# Altium PCB SDR_CAMERA.PcbDoc (part 1 of 3) (continued)
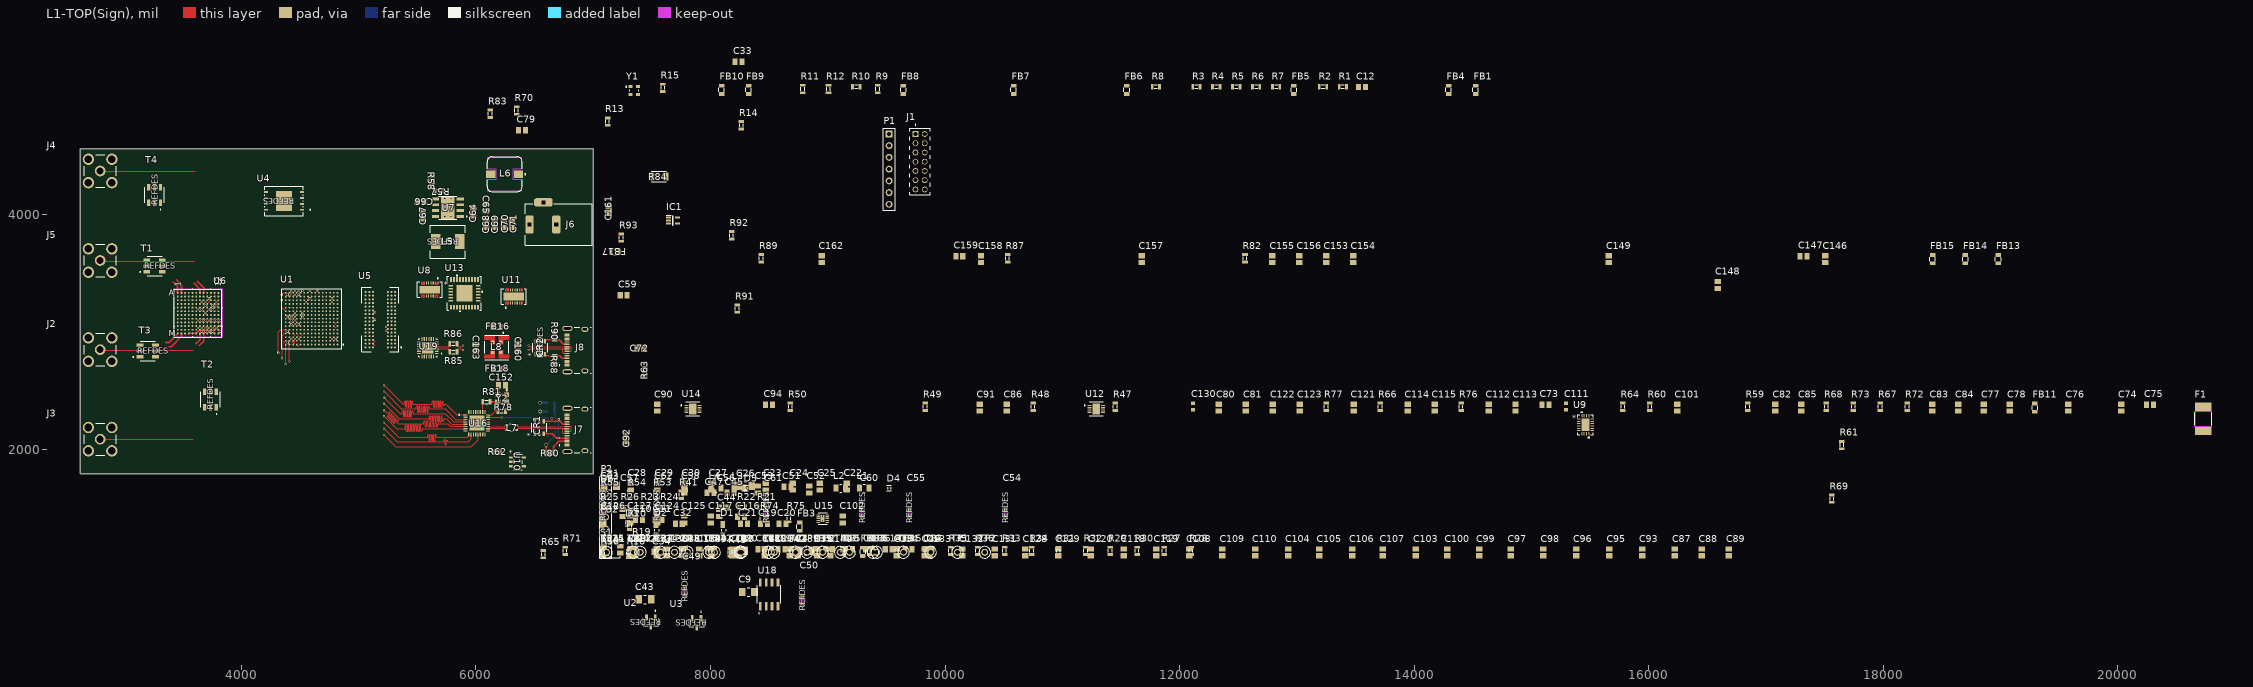
[diagram p0: L1-TOP(Sign) view]
## Components (designator, comment, footprint, x,y, rotation, side; value= is the part's Value field where it differs from the comment) (continued)
U1 "XC7Z010-1CLG225I" BGA225C80P15X15_1300X1300X150N 4598.43,3114.17 r180 top
U2 "BSS138LT3G" SOT-23-3_1P4X3P040_ONS 7492.13,527.56 r180 top
U3 "BSS138LT3G" SOT-23-3_1P4X3P040_ONS 7881.89,519.68 r180 top
U4 "MT25QU256ABA1EW9-0SIT" W-PDFN-8MLP8_8X6_MRN 4362.2,4118.11 r180 top
U5 "MT41K256M16TW-107:P" BGA96C80P9X16_1400X800X120 5185.04,3106.3 r180 top
U6 "AD9363ABCZ" BC-144-7_ADI 3629.92,3161.42 r0 top
U7 "LMR33630CDDAR" VREG_LM5017MR/NOPB 5759.84,4061.02 r180 top
U8 "LTC4415EDHCPBF" 05-08-1872_ADI 5606.3,3362.2 r270 top
U9 "TPS259401AQRVCRQ1" WQFN_3QRVCRQ1_TEX 15460.63,2208.66 r0 top
U10 "AP22802AW5-7" SOT25_DIO 6354.33,1893.7 r0 top
U11 "LTC4415EDHCPBF" 05-08-1872_ADI 6322.83,3303.15 r90 top
U12 "ADM7170ACPZ-1.3-R7" SON50P300X300X80-9N 11290,2345 r0 top
U13 "MPM54304GMN-0000" LGA7x7x2_MNP 5901.79,3330.88 r0 top
U14 "ADM7170ACPZ-1.3-R7" SON50P300X300X80-9N 7850,2345 r0 top
U15 "TPS51206DSQR" SON40P200X200X80-11N 8956.67,1409.45 r0 top
U16 "USB3320C-EZK-TR" QFN50P500X500X100-33N 6007.87,2224.41 r0 top
U17 "TUSB322I" IC_TUSB320IRWBR 6653.54,2185.04 r180 bottom
U18 "TJA1050T/CM,118" SOIC127P600X175-8N 8500,763.78 r90 top
U19 "CP2102N-A02-GQFN24R" QFN50P400X400X80-25N 5589.17,2866.39 r180 top
Y1 "ASDMB-33.000MHZ-LY-T" XTAL_ASDMB-33.000MHZ-LY-T 7350,5060 r0 top
Y2 "SIT1602BI-11-18E-24.000000G" OSC_SIT1602BI-11-18E-24.000000G 6223.2,2435.29 r270 top

## Footprints (in the part's own frame and the unit in brackets; to place one, negate y for a bottom-side part, rotate by r counter-clockwise, add the part's x,y. Pads: shape width x height; smd on the part's side, far side on the other; paste and mask are expansions set on the pad)
0ZCG_BEL [mil]
  rect 70x138 smd paste+0 mask+0: 1(-103,0) 2(103,0)
  L1-TOP(Sign) keep-out region: -66,-67 -66,67 66,67 66,-67
  silkscreen extent -55,-72 55,72, body extent -93,-67 93,67, height 61
05-08-1872_ADI [mm]
  rect 0.127x0.127 smd paste-0.064 mask-0.064: 1(-1.425,1.75) 2(-1.425,1.25) 7(-1.425,-1.25) 8(-1.425,-1.75) 9(1.425,-1.75) 10(1.425,-1.25) 15(1.425,1.25) 16(1.425,1.75)
  rect 0.65x0.25 smd paste+0 mask+0: 3(-1.425,0.75) 4(-1.425,0.25) 5(-1.425,-0.25) 6(-1.425,-0.75) 11(1.425,-0.75) 12(1.425,-0.25) 13(1.425,0.25) 14(1.425,0.75)
  rect 1.65x4.4 smd paste-0.825 mask+0: 17(0,0)
  L1-TOP(Sign) region: 0,2.2 0,2.2 0,2.2 0,2.2 0,2.2 0,2.2 0,2.2 0,2.2
  L1-TOP(Sign) region: 0,-2.2 0,-2.2 0,-2.2 0,-2.2 0,-2.2 0,-2.2 0,-2.2 0,-2.2
  L1-TOP(Sign) region: 1.29,1.625 1.75,1.625 1.75,1.875 1.1,1.875 1.1,1.125 1.75,1.125 1.75,1.375 1.29,1.375
  L1-TOP(Sign) region: -1.29,1.375 -1.75,1.375 -1.75,1.125 -1.1,1.125 -1.1,1.875 -1.75,1.875 -1.75,1.625 -1.29,1.625
  L1-TOP(Sign) region: -1.29,-1.625 -1.75,-1.625 -1.75,-1.875 -1.1,-1.875 -1.1,-1.125 -1.75,-1.125 -1.75,-1.375 -1.29,-1.375
  L1-TOP(Sign) region: 1.29,-1.375 1.75,-1.375 1.75,-1.125 1.1,-1.125 1.1,-1.875 1.75,-1.875 1.75,-1.625 1.29,-1.625
  silkscreen extent -2.55,-2.68 1.68,2.68
0603 [mm]
  rect 0.6x1.2 smd: 1(0.3,0.6) 2(1.9,0.6)
  silkscreen extent 0.76,0.2 1.44,1
0805R [mm] "footprint 0805"
  rect 0.8x1.2 smd: 1(0,0) 2(1.8,0)
  silkscreen extent 0.5,-0.6 1.33,0.6, body extent -0.1,-0.6 1.9,0.6, height 1.2
1608[0603] [mm] "Chip Capacitor, Body 1.6x0.8mm, IPC High Density"
  rect 0.8x0.9 smd: 1(-0.7,0) 2(0.7,0)
  body extent -0.87,-0.48 0.87,0.48, height 1.3
694108301002 [mm] "DC Power Jack Right Angled(6.4)"
  rrect50% 4x1.8 hole 0.8 square: 1(0,6.35) 2(0,0.55)
  rrect50% 1.8x4 hole 0.8 square: 3(4.8,3.35)
  silkscreen extent -4.5,-7.25 4.5,7.25, body extent -4.5,-7.25 5,7.25, height 10.75
BC-144-7_ADI [mil]
  round 16 smd paste+0 mask+1.97: A1(-173.23,173.23) A2(-141.73,173.23) A3(-110.24,173.23) A4(-78.74,173.23) A5(-47.24,173.23) A6(-15.75,173.23) A7(15.75,173.23) A8(47.24,173.23) A9(78.74,173.23) A10(110.24,173.23) A11(141.73,173.23) A12(173.23,173.23) B1(-173.23,141.73) B2(-141.73,141.73) B3(-110.24,141.73) B4(-78.74,141.73) B5(-47.24,141.73) B6(-15.75,141.73) B7(15.75,141.73) B8(47.24,141.73) B9(78.74,141.73) B10(110.24,141.73) B11(141.73,141.73) B12(173.23,141.73) C1(-173.23,110.24) C2(-141.73,110.24) C3(-110.24,110.24) C4(-78.74,110.24) C5(-47.24,110.24) C6(-15.75,110.24) C7(15.75,110.24) C8(47.24,110.24) C9(78.74,110.24) C10(110.24,110.24) C11(141.73,110.24) C12(173.23,110.24) D1(-173.23,78.74) D2(-141.73,78.74) D3(-110.24,78.74) D4(-78.74,78.74) D5(-47.24,78.74) D6(-15.75,78.74) D7(15.75,78.74) D8(47.24,78.74) D9(78.74,78.74) D10(110.24,78.74) D11(141.73,78.74) D12(173.23,78.74) E1(-173.23,47.24) E2(-141.73,47.24) E3(-110.24,47.24) E4(-78.74,47.24) E5(-47.24,47.24) E6(-15.75,47.24) E7(15.75,47.24) E8(47.24,47.24) E9(78.74,47.24) E10(110.24,47.24) E11(141.73,47.24) E12(173.23,47.24) F1(-173.23,15.75) F2(-141.73,15.75) F3(-110.24,15.75) F4(-78.74,15.75) F5(-47.24,15.75) F6(-15.75,15.75) F7(15.75,15.75) F8(47.24,15.75) F9(78.74,15.75) F10(110.24,15.75) F11(141.73,15.75) F12(173.23,15.75) G1(-173.23,-15.75) G2(-141.73,-15.75) G3(-110.24,-15.75) G4(-78.74,-15.75) G5(-47.24,-15.75) G6(-15.75,-15.75) G7(15.75,-15.75) G8(47.24,-15.75) G9(78.74,-15.75) G10(110.24,-15.75) G11(141.73,-15.75) G12(173.23,-15.75) H1(-173.23,-47.24) H2(-141.73,-47.24) H3(-110.24,-47.24) H4(-78.74,-47.24) H5(-47.24,-47.24) H6(-15.75,-47.24) H7(15.75,-47.24) H8(47.24,-47.24) H9(78.74,-47.24) H10(110.24,-47.24) H11(141.73,-47.24) H12(173.23,-47.24) J1(-173.23,-78.74) J2(-141.73,-78.74) J3(-110.24,-78.74) J4(-78.74,-78.74) J5(-47.24,-78.74) J6(-15.75,-78.74) J7(15.75,-78.74) J8(47.24,-78.74) J10(110.24,-78.74) J11(141.73,-78.74) J12(173.23,-78.74) K1(-173.23,-110.24) K2(-141.73,-110.24) K3(-110.24,-110.24) K4(-78.74,-110.24) K5(-47.24,-110.24) K6(-15.75,-110.24) K7(15.75,-110.24) K8(47.24,-110.24) K9(78.74,-110.24) K10(110.24,-110.24) K11(141.73,-110.24) K12(173.23,-110.24) L1(-173.23,-141.73) L2(-141.73,-141.73) L3(-110.24,-141.73) L4(-78.74,-141.73) L5(-47.24,-141.73) L6(-15.75,-141.73) L7(15.75,-141.73) L8(47.24,-141.73) L9(78.74,-141.73) L10(110.24,-141.73) L11(141.73,-141.73) L12(173.23,-141.73) M1(-173.23,-173.23) M2(-141.73,-173.23) M3(-110.24,-173.23) M4(-78.74,-173.23) M5(-47.24,-173.23) M6(-15.75,-173.23) M7(15.75,-173.23) M8(47.24,-173.23) M9(78.74,-173.23) M10(110.24,-173.23) M11(141.73,-173.23) M12(173.23,-173.23)
  round 16 smd paste+0 mask+0: J9(78.74,-78.74)
  Keep-Out Layer region: -206.48,-206.48 -206.48,206.48 206.48,206.48 206.48,-206.48
  silkscreen extent -209,-209 209,209, body extent -199,-199 199,199, height 67
BGA96C80P9X16_1400X800X120 [mm]
  round 0.43 smd: A1(-3.2,6) A2(-2.4,6) A3(-1.6,6) A7(1.6,6) A8(2.4,6) A9(3.2,6) B1(-3.2,5.2) B2(-2.4,5.2) B3(-1.6,5.2) B7(1.6,5.2) B8(2.4,5.2) B9(3.2,5.2) C1(-3.2,4.4) C2(-2.4,4.4) C3(-1.6,4.4) C7(1.6,4.4) C8(2.4,4.4) C9(3.2,4.4) D1(-3.2,3.6) D2(-2.4,3.6) D3(-1.6,3.6) D7(1.6,3.6) D8(2.4,3.6) D9(3.2,3.6) E1(-3.2,2.8) E2(-2.4,2.8) E3(-1.6,2.8) E7(1.6,2.8) E8(2.4,2.8) E9(3.2,2.8) F1(-3.2,2) F2(-2.4,2) F3(-1.6,2) F7(1.6,2) F8(2.4,2) F9(3.2,2) G1(-3.2,1.2) G2(-2.4,1.2) G3(-1.6,1.2) G7(1.6,1.2) G8(2.4,1.2) G9(3.2,1.2) H1(-3.2,0.4) H2(-2.4,0.4) H3(-1.6,0.4) H7(1.6,0.4) H8(2.4,0.4) H9(3.2,0.4) J1(-3.2,-0.4) J2(-2.4,-0.4) J3(-1.6,-0.4) J7(1.6,-0.4) J8(2.4,-0.4) J9(3.2,-0.4) K1(-3.2,-1.2) K2(-2.4,-1.2) K3(-1.6,-1.2) K7(1.6,-1.2) K8(2.4,-1.2) K9(3.2,-1.2) L1(-3.2,-2) L2(-2.4,-2) L3(-1.6,-2) L7(1.6,-2) L8(2.4,-2) L9(3.2,-2) M1(-3.2,-2.8) M2(-2.4,-2.8) M3(-1.6,-2.8) M7(1.6,-2.8) M8(2.4,-2.8) M9(3.2,-2.8) N1(-3.2,-3.6) N2(-2.4,-3.6) N3(-1.6,-3.6) N7(1.6,-3.6) N8(2.4,-3.6) N9(3.2,-3.6) P1(-3.2,-4.4) P2(-2.4,-4.4) P3(-1.6,-4.4) P7(1.6,-4.4) P8(2.4,-4.4) P9(3.2,-4.4) R1(-3.2,-5.2) R2(-2.4,-5.2) R3(-1.6,-5.2) R7(1.6,-5.2) R8(2.4,-5.2) R9(3.2,-5.2) T1(-3.2,-6) T2(-2.4,-6) T3(-1.6,-6) T7(1.6,-6) T8(2.4,-6) T9(3.2,-6)
  silkscreen extent -4.6,-7 4,7
BGA225C80P15X15_1300X1300X150N [mm]
  round 0.37 smd: A1(-5.6,5.6) A2(-4.8,5.6) A3(-4,5.6) A4(-3.2,5.6) A5(-2.4,5.6) A6(-1.6,5.6) A7(-0.8,5.6) A8(0,5.6) A9(0.8,5.6) A10(1.6,5.6) A11(2.4,5.6) A12(3.2,5.6) A13(4,5.6) A14(4.8,5.6) A15(5.6,5.6) B1(-5.6,4.8) B2(-4.8,4.8) B3(-4,4.8) B4(-3.2,4.8) B5(-2.4,4.8) B6(-1.6,4.8) B7(-0.8,4.8) B8(0,4.8) B9(0.8,4.8) B10(1.6,4.8) B11(2.4,4.8) B12(3.2,4.8) B13(4,4.8) B14(4.8,4.8) B15(5.6,4.8) C1(-5.6,4) C2(-4.8,4) C3(-4,4) C4(-3.2,4) C5(-2.4,4) C6(-1.6,4) C7(-0.8,4) C8(0,4) C9(0.8,4) C10(1.6,4) C11(2.4,4) C12(3.2,4) C13(4,4) C14(4.8,4) C15(5.6,4) D1(-5.6,3.2) D2(-4.8,3.2) D3(-4,3.2) D4(-3.2,3.2) D5(-2.4,3.2) D6(-1.6,3.2) D7(-0.8,3.2) D8(0,3.2) D9(0.8,3.2) D10(1.6,3.2) D11(2.4,3.2) D12(3.2,3.2) D13(4,3.2) D14(4.8,3.2) D15(5.6,3.2) E1(-5.6,2.4) E2(-4.8,2.4) E3(-4,2.4) E4(-3.2,2.4) E5(-2.4,2.4) E6(-1.6,2.4) E7(-0.8,2.4) E8(0,2.4) E9(0.8,2.4) E10(1.6,2.4) E11(2.4,2.4) E12(3.2,2.4) E13(4,2.4) E14(4.8,2.4) E15(5.6,2.4) F1(-5.6,1.6) F2(-4.8,1.6) F3(-4,1.6) F4(-3.2,1.6) F5(-2.4,1.6) F6(-1.6,1.6) F7(-0.8,1.6) F8(0,1.6) F9(0.8,1.6) F10(1.6,1.6) F11(2.4,1.6) F12(3.2,1.6) F13(4,1.6) F14(4.8,1.6) F15(5.6,1.6) G1(-5.6,0.8) G2(-4.8,0.8) G3(-4,0.8) G4(-3.2,0.8) G5(-2.4,0.8) G6(-1.6,0.8) G7(-0.8,0.8) G8(0,0.8) G9(0.8,0.8) G10(1.6,0.8) G11(2.4,0.8) G12(3.2,0.8) G13(4,0.8) G14(4.8,0.8) G15(5.6,0.8) H1(-5.6,0) H2(-4.8,0) H3(-4,0) H4(-3.2,0) H5(-2.4,0) H6(-1.6,0) H7(-0.8,0) H8(0,0) H9(0.8,0) H10(1.6,0) H11(2.4,0) H12(3.2,0) H13(4,0) H14(4.8,0) H15(5.6,0) J1(-5.6,-0.8) J2(-4.8,-0.8) J3(-4,-0.8) J4(-3.2,-0.8) J5(-2.4,-0.8) J6(-1.6,-0.8) J7(-0.8,-0.8) J8(0,-0.8) J9(0.8,-0.8) J10(1.6,-0.8) J11(2.4,-0.8) J12(3.2,-0.8) J13(4,-0.8) J14(4.8,-0.8) J15(5.6,-0.8) K1(-5.6,-1.6) K2(-4.8,-1.6) K3(-4,-1.6) K4(-3.2,-1.6) K5(-2.4,-1.6) K6(-1.6,-1.6) K7(-0.8,-1.6) K8(0,-1.6) K9(0.8,-1.6) K10(1.6,-1.6) K11(2.4,-1.6) K12(3.2,-1.6) K13(4,-1.6) K14(4.8,-1.6) K15(5.6,-1.6) L1(-5.6,-2.4) L2(-4.8,-2.4) L3(-4,-2.4) L4(-3.2,-2.4) L5(-2.4,-2.4) L6(-1.6,-2.4) L7(-0.8,-2.4) L8(0,-2.4) L9(0.8,-2.4) L10(1.6,-2.4) L11(2.4,-2.4) L12(3.2,-2.4) L13(4,-2.4) L14(4.8,-2.4) L15(5.6,-2.4) M1(-5.6,-3.2) M2(-4.8,-3.2) M3(-4,-3.2) M4(-3.2,-3.2) M5(-2.4,-3.2) M6(-1.6,-3.2) M7(-0.8,-3.2) M8(0,-3.2) M9(0.8,-3.2) M10(1.6,-3.2) M11(2.4,-3.2) M12(3.2,-3.2) M13(4,-3.2) M14(4.8,-3.2) M15(5.6,-3.2) N1(-5.6,-4) N2(-4.8,-4) N3(-4,-4) N4(-3.2,-4) N5(-2.4,-4) N6(-1.6,-4) N7(-0.8,-4) N8(0,-4) N9(0.8,-4) N10(1.6,-4) N11(2.4,-4) N12(3.2,-4) N13(4,-4) N14(4.8,-4) P1(-5.6,-4.8) P2(-4.8,-4.8) P3(-4,-4.8) P4(-3.2,-4.8) P5(-2.4,-4.8) P6(-1.6,-4.8) P7(-0.8,-4.8) P8(0,-4.8) P9(0.8,-4.8) P10(1.6,-4.8) P11(2.4,-4.8) P12(3.2,-4.8) P13(4,-4.8) P14(4.8,-4.8) P15(5.6,-4.8) R1(-5.6,-5.6) R2(-4.8,-5.6) R3(-4,-5.6) R4(-3.2,-5.6) R5(-2.4,-5.6) R6(-1.6,-5.6) R7(-0.8,-5.6) R8(0,-5.6) R9(0.8,-5.6) R10(1.6,-5.6) R11(2.4,-5.6) R12(3.2,-5.6) R13(4,-5.6) R14(4.8,-5.6) R15(5.6,-5.6)
  round 0.37 smd mask+0.05: N15(5.6,-4)
  silkscreen extent -6.92,-6.5 6.5,6.5
C0805 [mm] "Chip Capacitor, Body 2.0x1.3mm, IPC High Density"
  rect 1.1x1.4 smd: 1(-0.75,0) 2(0.75,0)
  body extent -1.1,-0.72 1.1,0.72, height 1.4
CAPC3216X190N [mm]
  rect 1.44x1.82 smd: 1(-1.336,0) 2(1.336,0)
  silkscreen extent -0.29,-0.9 0.29,0.9, body extent -1.6,-0.8 1.6,0.8, height 1.9
CAPC17595_87N_KEM [mm]
  rect 1.006x0.95 smd paste+0 mask+0: 1(-0.728,0) 2(0.728,0)
  L1-TOP(Sign) keep-out region: -0.174,-0.424 -0.174,0.424 0.174,0.424 0.174,-0.424
  Keep-Out Layer region: -0.174,-0.475 -0.174,0.475 0.174,0.475 0.174,-0.475
  body extent -0.87,-0.48 0.87,0.48, height 0.87
DB1627_MNC [mil]
  rect 57x29 smd paste+0 mask+0: 1(-66,-50) 2(-66,0) 3(-66,50) 4(66,50) 5(66,0) 6(66,-50)
  silkscreen extent -126,-82 65,82
DIODFN100X60X43-2N [mm]
  rect 0.28x0.52 smd: 1(-0.325,0) 2(0.325,0)
  silkscreen extent -0.5,-0.58 0.5,0.58, body extent -0.5,-0.3 0.5,0.3, height 0.25
FIL_DLW5BSM801TQ2L [mm]
  rect 0.75x0.75 smd: 1(0.875,1.075) 2(-0.875,1.075) 3(-0.875,-1.075) 4(0.875,-1.075)
  L1-TOP(Sign) region: -0.45,-2.35 -2.75,-2.35 -2.75,-1.65 -1.45,-1.65 -1.45,-0.65 -0.45,-0.65
  L1-TOP(Sign) region: 2.75,1.65 1.45,1.65 1.45,0.65 0.45,0.65 0.45,2.35 2.75,2.35
  L1-TOP(Sign) region: 1.45,-1.65 2.75,-1.65 2.75,-2.35 0.45,-2.35 0.45,-0.65 1.45,-0.65
  L1-TOP(Sign) region: -0.45,0.65 -1.45,0.65 -1.45,1.65 -2.75,1.65 -2.75,2.35 -0.45,2.35
  silkscreen extent -2.65,-2.66 2.65,3.22
GRADCONN_RFPC-SMA27-F [mm]
  round 2.325 hole 1.55: 1(0,0)
  round 2.475 hole 1.65: G1(-2.54,2.54) G2(2.54,2.54) G3(-2.54,-2.54) G4(2.54,-2.54)
  silkscreen extent -3.5,-3.5 3.5,3.5
HDR1X7 [mm] "Connector; Header; 7 Position"
  rect 1.5x1.5 hole 0.9: 1(0,0)
  round 1.5 hole 0.9: 2(2.54,0) 3(5.08,0) 4(7.62,0) 5(10.16,0) 6(12.7,0) 7(15.24,0)
  silkscreen extent -1.27,-1.27 16.51,1.27
IC_TUSB320IRWBR [mm]
  rrect50% 0.7x0.2 smd paste-1 mask+0: 1(-0.65,0.2) 2(-0.65,-0.2) 7(0.65,-0.2) 8(0.65,0.2)
  rrect50% 0.2x0.5 smd mask+0: 3(-0.6,-0.75) 4(-0.2,-0.75) 5(0.2,-0.75) 6(0.6,-0.75) 9(0.6,0.75) 10(0.2,0.75) 11(-0.2,0.75) 12(-0.6,0.75)
  silkscreen extent -1.6,0.1 -1.4,0.3, body extent -0.8,-0.8 0.8,0.8, height 0.4
IND_B82498F3331J001 [mm]
  rect 1.1x1.5 smd: 1(-1.05,0) 2(1.05,0)
  silkscreen extent -0.18,-0.85 0.18,0.85
IND_DLW21H_0805_MUR [mm]
  rect 0.755x0.349 smd paste+0 mask+0: 1(-1.027,-0.5) 2(1.027,-0.5) 3(1.027,0.5) 4(-1.027,0.5)
  silkscreen extent -0.35,-0.83 0.35,0.83, body extent -1.1,-0.7 1.1,0.7, height 1
IND_SRP7020TA-8R2M_BRN [mil]
  rect 83x130 smd paste+0 mask+0: 1(-102.5,0) 2(102.5,0)
  silkscreen extent -149,-141 149,141, body extent -144,-136 144,136, height 79
KEYSTONE_5000 [mm]
  round 1.53 hole 1.02: TP(0,0)
  silkscreen extent -1.27,-1.27 1.27,1.27, body extent -1.27,-1.27 1.27,1.27, height 4.57
LED_LTST-S220TBKT [mm]
  rect 1.5x1 smd: A(1.25,0) C(-1.25,0)
  silkscreen extent -2.6,-0.75 0.19,0.25
LGA7x7x2_MNP [mil]
  rect 39x14 smd paste+0 mask+0: 1(-117.5,63.98) 2(-117.5,38.39) 3(-117.5,12.8) 4(-117.5,-12.8) 5(-117.5,-38.39) 6(-117.5,-63.98) 17(117.5,-63.98) 18(117.5,-38.39) 19(117.5,-12.8) 20(117.5,12.8) 21(117.5,38.39) 22(117.5,63.98)
  rect 14x39 smd paste+0 mask+0: 7(-115.16,-117.5) 8(-89.57,-117.5) 9(-63.98,-117.5) 10(-38.39,-117.5) 11(-12.8,-117.5) 12(12.8,-117.5) 13(38.39,-117.5) 14(63.98,-117.5) 15(89.57,-117.5) 16(115.16,-117.5) 23(115.16,117.5) 24(89.57,117.5) 25(63.98,117.5) 26(38.39,117.5) 27(12.8,117.5) 28(-12.8,117.5) 29(-38.39,117.5) 30(-63.98,117.5) 31(-89.57,117.5) 32(-115.16,117.5)
  rect 138x138 smd paste-69 mask+0: 33(0,0)
  silkscreen extent -145,-157 157,157, body extent -140,-140 140,140, height 83
OSC_SIT1602BI-11-18E-24.000000G [mm]
  rect 1x1.1 smd: 1(-0.75,0.95) 2(-0.75,-0.95) 3(0.75,-0.95) 4(0.75,0.95)
  silkscreen extent -1.97,-0.08 1,1.1
QFN50P400X400X80-25N [mm]
  rrect25% 0.84x0.26 smd: 1(-1.935,1.25) 2(-1.935,0.75) 3(-1.935,0.25) 4(-1.935,-0.25) 5(-1.935,-0.75) 6(-1.935,-1.25) 13(1.935,-1.25) 14(1.935,-0.75) 15(1.935,-0.25) 16(1.935,0.25) 17(1.935,0.75) 18(1.935,1.25)
  rrect25% 0.26x0.84 smd: 7(-1.25,-1.935) 8(-0.75,-1.935) 9(-0.25,-1.935) 10(0.25,-1.935) 11(0.75,-1.935) 12(1.25,-1.935) 19(1.25,1.935) 20(0.75,1.935) 21(0.25,1.935) 22(-0.25,1.935) 23(-0.75,1.935) 24(-1.25,1.935)
  rect 2.45x2.45 smd paste-0.455: 25(0,0)
  silkscreen extent -3.08,-2 2,2
QFN50P500X500X100-33N [mm]
  rrect7% 0.86x0.26 smd: 1(-2.435,1.75) 2(-2.435,1.25) 3(-2.435,0.75) 4(-2.435,0.25) 5(-2.435,-0.25) 6(-2.435,-0.75) 7(-2.435,-1.25) 8(-2.435,-1.75) 17(2.435,-1.75) 18(2.435,-1.25) 19(2.435,-0.75) 20(2.435,-0.25) 21(2.435,0.25) 22(2.435,0.75) 23(2.435,1.25) 24(2.435,1.75)
  rrect7% 0.26x0.86 smd: 9(-1.75,-2.435) 10(-1.25,-2.435) 11(-0.75,-2.435) 12(-0.25,-2.435) 13(0.25,-2.435) 14(0.75,-2.435) 15(1.25,-2.435) 16(1.75,-2.435) 25(1.75,2.435) 26(1.25,2.435) 27(0.75,2.435) 28(0.25,2.435) 29(-0.25,2.435) 30(-0.75,2.435) 31(-1.25,2.435) 32(-1.75,2.435)
  rect 3.3x3.3 smd paste-0.606: 33(0,0)
  silkscreen extent -3.96,1.65 -3.77,1.85, body extent -2.5,-2.5 2.5,2.5, height 1
RESC3216X125N [mm]
  rrect25% 1.2x1.82 smd: 1(-1.505,0) 2(1.505,0)
  silkscreen extent -1.63,-1.09 1.63,1.09
SAMESKY_UJ20-C-H-G-SMT-P16-TR-67 [mm]
  rect 0.65x1.14 smd: A1_B12(-3.28,3.23) A4_B9(-2.43,3.23) A12_B1(3.28,3.23) B4_A9(2.43,3.23)
  rect 0.3x1.14 smd: A5(-1.75,3.23) A6(-0.75,3.23) A7(0.75,3.23) A8(1.75,3.23) B5(1.25,3.23) B6(0.25,3.23) B7(-0.25,3.23) B8(-1.25,3.23)
  oval 1.1x2.2 hole 0.5 slot 1.6 at 90 deg: SH1(-4.695,3.15) SH3(4.695,3.15)
  oval 1.1x1.5 hole 0.5 slot 0.9 at 90 deg: SH2(-4.495,-0.65) SH4(4.495,-0.65)
  silkscreen extent -4.96,-2 4.96,4.95, body extent -5.09,-3.79 4.84,3.81, height 3.4
SAMTEC_MTMM-107-03-G-D-190 [mm]
  rect 1.24x1.24 hole 0.89: 01(-6,-1)
  round 1.24 hole 0.89: 02(-6,1) 03(-4,-1) 04(-4,1) 05(-2,-1) 06(-2,1) 07(0,-1) 08(0,1) 09(2,-1) 10(2,1) 11(4,-1) 12(4,1) 13(6,-1) 14(6,1)
  silkscreen extent -8.1,-2.2 7.2,2.2
SOIC6_SOT23-6_CRA_LTF [mil]
  rect 38.5x22 smd paste+0 mask+0: 1(-53.75,37) 2(-53.75,0) 3(-53.75,-37) 4(53.75,-37) 5(53.75,0) 6(53.75,37)
  silkscreen extent -40,-65 40,65, body extent -59,-60 59,60, height 57
SOIC127P600X175-8N [mm]
  rrect25% 1.75x0.59 smd: 1(-2.585,1.905) 2(-2.585,0.635) 3(-2.585,-0.635) 4(-2.585,-1.905) 5(2.585,-1.905) 6(2.585,-0.635) 7(2.585,0.635) 8(2.585,1.905)
  silkscreen extent -4.2,-2.52 1.95,2.52, body extent -3,-2.45 3,2.45, height 1.75
SON40P200X200X80-11N [mm]
  rrect25% 0.76x0.22 smd: 1(-0.985,0.8) 2(-0.985,0.4) 3(-0.985,0) 4(-0.985,-0.4) 5(-0.985,-0.8) 6(0.985,-0.8) 7(0.985,-0.4) 8(0.985,0) 9(0.985,0.4) 10(0.985,0.8)
  rect 0.9x1.5 smd paste-2: 11(0,0)
  round 0.3 hole 0.2 mask+0: 12(0,0.5) 13(0,-0.5)
  silkscreen extent -2.02,-1.23 1,1.23
SON50P300X300X80-9N [mm]
  rrect25% 0.86x0.27 smd: 1(-1.435,0.75) 2(-1.435,0.25) 3(-1.435,-0.25) 4(-1.435,-0.75) 5(1.435,-0.75) 6(1.435,-0.25) 7(1.435,0.25) 8(1.435,0.75)
  rect 1.6x2.44 smd paste-2: 9(0,0)
  silkscreen extent -2.59,-1.54 1.5,1.54, body extent -1.5,-1.5 1.5,1.5, height 0.75
SOT25_DIO [mm]
  rect 1.006x0.5 smd paste+0 mask+0: 1(-1.353,0.95) 2(-1.353,0) 3(-1.353,-0.95) 4(1.353,-0.95) 5(1.353,0.95)
  silkscreen extent -0.98,-1.68 0.98,1.68, body extent -1.5,-1.55 1.5,1.55, height 1.45
SOT65P212X110-5N [mm]
  rect 1.05x0.4 smd: 1(-0.95,0.65) 2(-0.95,0) 3(-0.95,-0.65) 4(0.95,-0.65) 5(0.95,0.65)
  silkscreen extent -1.48,-1.02 0.08,1.1
SOT-23-3_1P4X3P040_ONS [mil]
  rect 22x52 smd paste+0 mask+0: 1(-37.5,-40) 2(37.5,-40) 3(0,40)
  silkscreen extent -65,-99 65,32, body extent -60,-52 60,52, height 44
SW_PTS840GMSMTRLFS [mm]
  rect 1.4x1.05 smd: 1(-1.8,0.725) 2(1.8,0.725) 3(-1.8,-0.725) 4(1.8,-0.725)
  rect 1.1x0.5 smd: 5(0,1.7)
  silkscreen extent -2.4,-1.75 1.75,1.8
VREG_LM5017MR/NOPB [mm]
  rrect5% 1.55x0.6 smd mask+0: 1(-2.7,1.905) 2(-2.7,0.635) 3(-2.7,-0.635) 4(-2.7,-1.905) 5(2.7,-1.905) 6(2.7,-0.635) 7(2.7,0.635) 8(2.7,1.905)
  rect 2.95x4.9 smd paste-3 mask+0: 9(0,0)
  round 0.3 hole 0.2: 10(-0.65,1.95) 11(0.65,1.95) 12(-0.65,0.65) 13(0.65,0.65) 14(-0.65,-0.65) 15(0.65,-0.65) 16(-0.65,-1.95) 17(0.65,-1.95)
  silkscreen extent -4.17,-2.52 1.95,2.52, body extent -3,-2.45 3,2.45, height 1.7
W-PDFN-8MLP8_8X6_MRN [mil]
  rect 34x16 smd paste+0 mask+0: 1(-154.5,75) 2(-154.5,25) 3(-154.5,-25) 4(-154.5,-75) 5(154.5,-75) 6(154.5,-25) 7(154.5,25) 8(154.5,75)
  rect 138x173 smd paste+0 mask+0: 9(0,0)
  silkscreen extent -228,-125 165,125, body extent -159,-120 159,120, height 32
WE-PD_7332R [mm] "SMT Shielded Power Inductor, 2-leads, body 7.3x7.3mm"
  rect 1.7x2 smd: 1(0,3) 2(0,-3)
  L1-TOP(Sign) keep-out region: 3.65,-3.65 1.05,-3.65 1.05,-1.8 -1.05,-1.8 -1.05,-3.65 -3.65,-3.65 -3.65,3.65 -1.05,3.65 -1.05,1.8 1.05,1.8 1.05,3.65 3.65,3.65
  silkscreen extent -3.8,-3.8 3.8,4.63, body extent -3.65,-3.65 3.65,3.65, height 3.22
WQFN_3QRVCRQ1_TEX [mil]
  rect 30x8 smd paste+0 mask+0: 1(-58,49.22) 2(-58,29.53) 3(-58,9.85) 4(-58,-9.84) 5(-58,-29.53) 6(-58,-49.22) 11(58,-49.22) 12(58,-29.53) 13(58,-9.84) 14(58,9.85) 15(58,29.53) 16(58,49.22)
  rect 8x30 smd paste+0 mask+0: 7(-29.53,-77.5) 8(-9.84,-77.5) 9(9.84,-77.5) 10(29.53,-77.5) 17(29.53,77.5) 18(9.84,77.5) 19(-9.84,77.5) 20(-29.53,77.5)
  rect 67x106 smd paste-33.5 mask+0: 21(0,0)
  silkscreen extent -66,-112 66,112, body extent -61,-81 61,81, height 32
XTAL_ASDMB-33.000MHZ-LY-T [mm]
  rect 0.85x0.65 smd: 1(-0.775,0.825) 2(-0.775,-0.825) 3(0.775,-0.825) 4(0.775,0.825)
  silkscreen extent -1.85,-0.15 1,0.92